# Altium PCB PCB1.PcbDoc (continued)
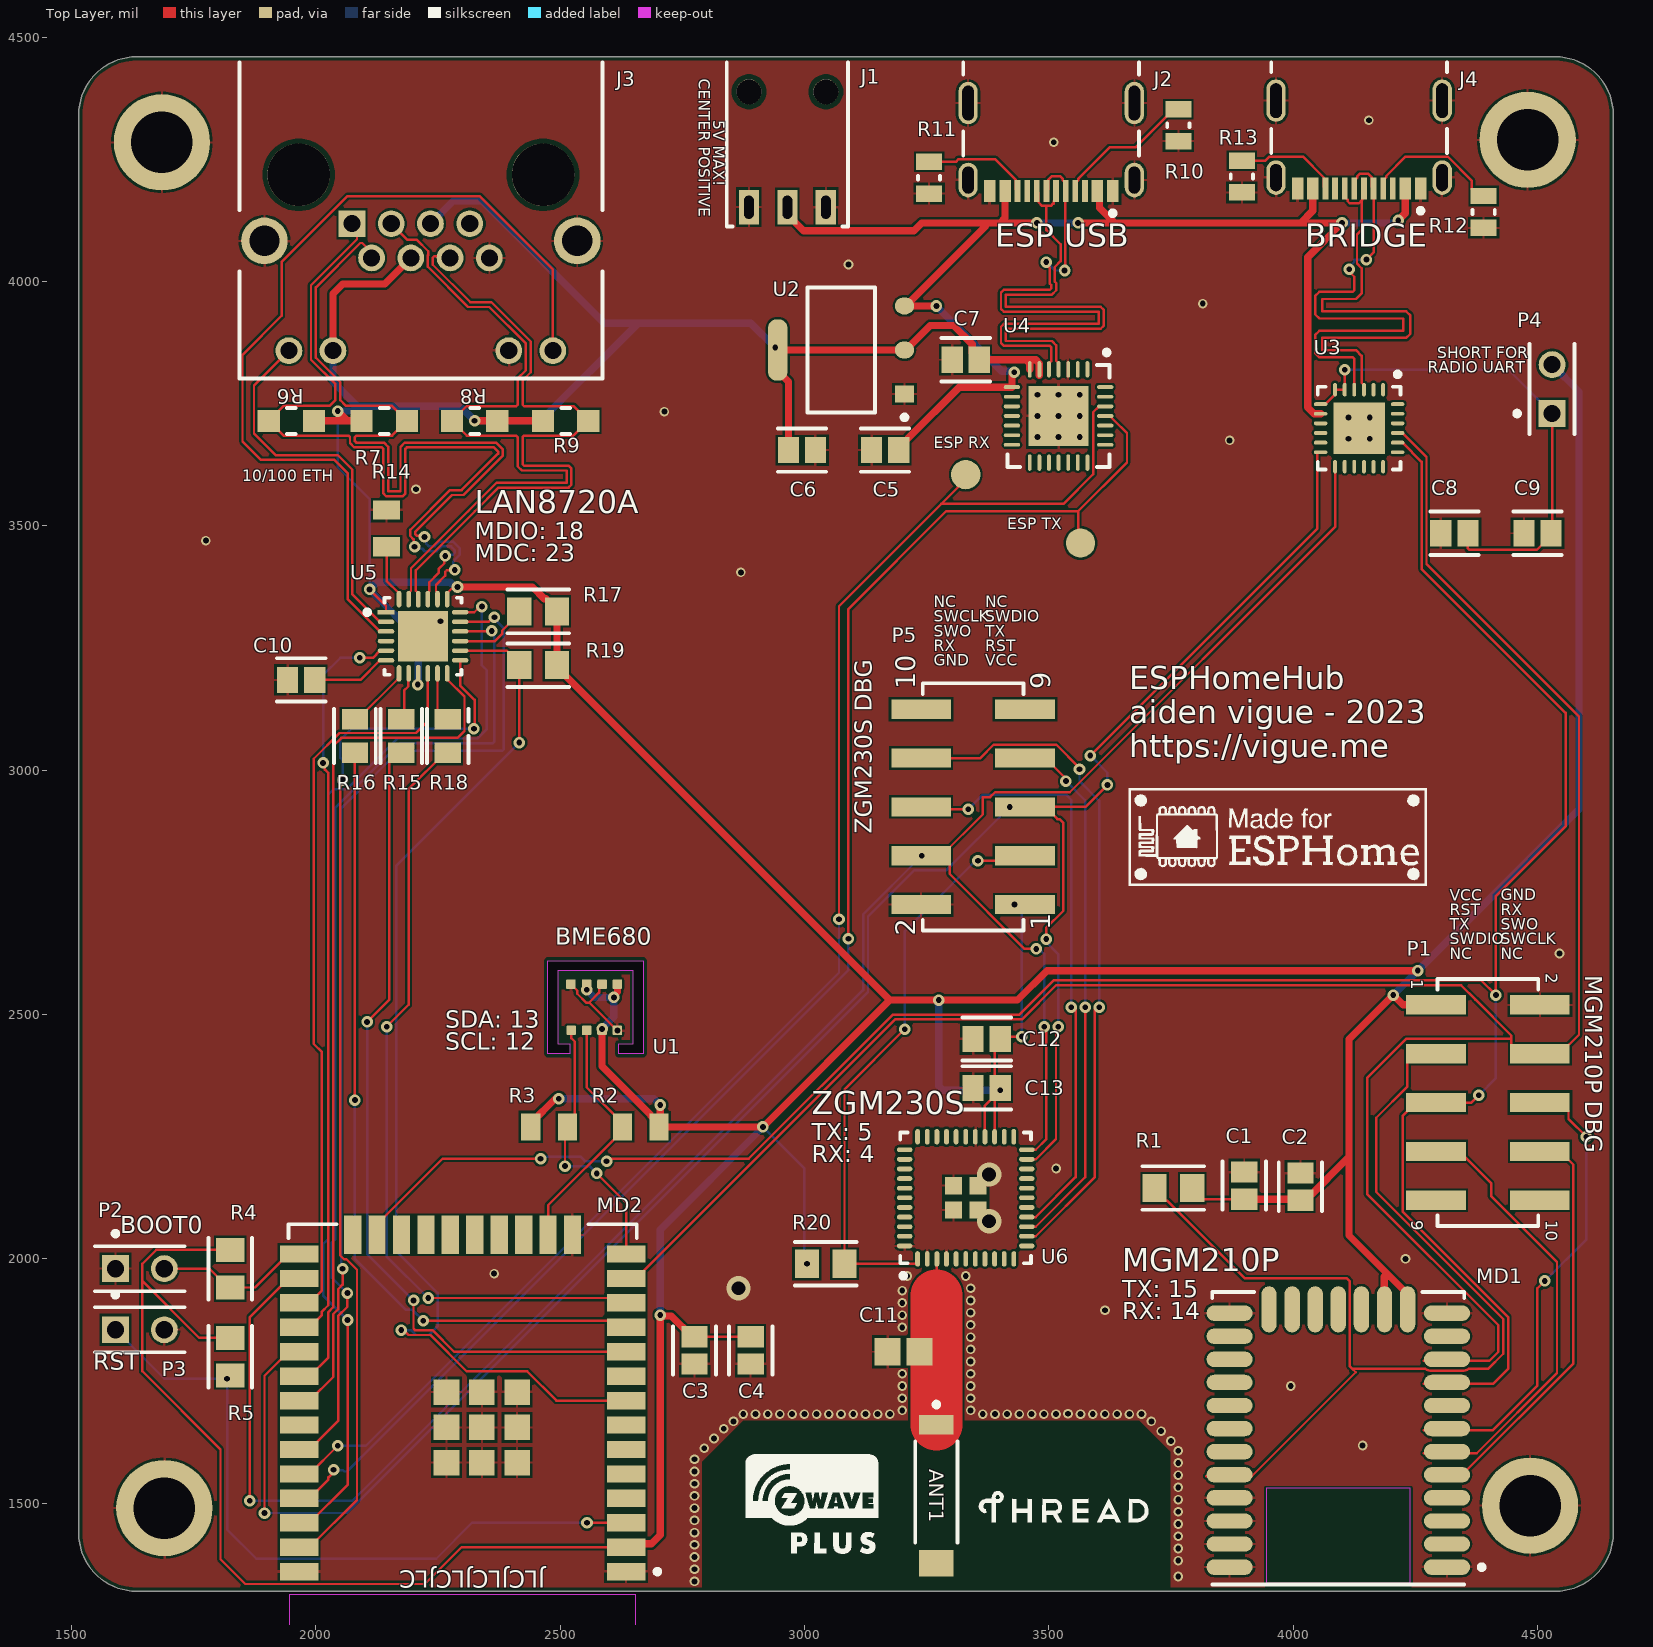
[diagram p0: Top Layer view]
## Part data
ANT1: library part CMP-56579-000002-1, "RF ANT CHIP SOLDER SMD", Max Frequency=928MHz, Contact Plating=Tin, Impedance=50R, Mount="Surface Mount", Number of Pins=2, RoHS Compliant=No
C1 C2 C3 C4 C5 C6 C7 C8 C9 C10 C12 C13: library part CMP-2000-05016-2, "General Purpose Ceramic Capacitor, 0805, 100nF, 10%, X7R, 0.15, 50V", Capacitance=100nF, Case Code (Imperial)=0805, Case Code (Metric)=2012, Dielectric=X7R, Dielectric Material=Ceramic, Insulation Resistance=100GR, Max Operating Temperature=125°C, Min Operating Temperature=-55°C, Package Quantity=4000, Tolerance=10%, Voltage=50V, Case/Package=0805, Depth=1.25mm, Dissipation Factor=2.5%, Height=0.5mm, Lead Free="Lead Free", Length=2mm, Mount="Surface Mount", Number of Pins=2, Packaging="Cut Tape", Radiation Hardening=No, REACH SVHC="No SVHC", RoHS Compliant=Yes, Series="MLCC X7R", Termination=Standard, Thickness=0.037inch, Voltage Rating=50V, Voltage Rating (DC)=50V, Weight=0.001411oz, Width=1.2mm
C11: library part CMP-1036-00283-2, Manufacturer="AVX Interconnect / Elco", Part Number=08055A2R2CAT2A
J1: library part CMP-1502-00184-1, "DC Power Jack Connector Low Profile WR-DC, Male, Right Angled, THT, 2 A, 20 V", Manufacturer="Wurth Elektronik", Operating Temperature=-40to85degC, Rated Current=2A, Working Voltage=20V, Datasheet URL=http://katalog.we-online.de/em/datasheet/6941xx304002.pdf, Gender=Male, Manufacturer URL=http://www.we-online.de, Mounting Technology=THT, Opening Diameter=3.8mm, Orientation=RightAngled, Package Reference=694102304002, Packaging=Tray, Part Number=694102304002, Plug Inner Diameter=1.05mm, Plug Outer Diameter=3.5mm, Publisher=WurthElektronik
J2 J4: library part CMP-04767-000028-1, "CONN RCP USB2.0 TYP C 24P SMD RA"
J3: library part CMP-2000-05541-2, "CONN MOD JACK 8P8C R/A SHIELDED", Color=Yellow, Current Rating=1.5A, Flammability Rating="UL94 V-0", Housing Color=Black, Max Operating Temperature=85°C, Max Voltage Rating (AC)=150V, Min Operating Temperature=-40°C, Package Quantity=63, Approvals=UL, Connector Type=Jack, Contact Material=Bronze, Contact Plating=Gold, Depth=15.75mm, Direction=Up, Element Configuration=Single, Gender=Female, Housing Material=Thermoplastic, Keyed=No, Length=17.86mm, Mount=Panel, Number of Contacts=8, Number of Ports=1, Number of Positions=8, Number of Positions Loaded=8, Number of Rows=1, Orientation="Right Angle", Packaging=Tray, PCB Mounting Orientation="Right Angle", PCB Thickness=1.57mm, Pitch=2.03mm, Radiation Hardening=No, RoHS Compliant=Yes, Series=-, Shielding=Shielded, Tail Length=2.54mm, Termination=Solder, Voltage Rating=150V, Weight=0.144729oz, Width=17.27mm
MD1: library part CMP-08140-000019-1, "RX TXRX MOD BLUETOOTH CHIP SMD"
MD2: library part CMP-194065-000008-1, "RX TXRX MOD WIFI SURFACE MOUNT", Case/Package=SMD/SMT, Frequency=2.5GHz, Max Operating Temperature=85°C, Min Operating Temperature=-40°C, Operating Supply Voltage=3.6V, Package Quantity=550, Data Rate=150Mbps, Mount="Surface Mount", Packaging="Cut Tape", Sensitivity=-98dBm, Weight=0.088185oz
P1 P5: library part CMP-1502-01053-1, "SMT Vertical Pin Header WR-PHD, Pitch 2.54 mm, Dual Row, 10 pins", Contact Resistance=20mOhm, Manufacturer="Wurth Elektronik", Operating Temperature=-40to125degC, Rated Current=3A, Withstanding Voltage=500VAC, Working Voltage=250VAC, Datasheet URL=https://katalog.we-online.de/em/datasheet/6103xx21121.pdf, Gender=Male, Manufacturer URL=http://www.we-online.de, Mounting Technology=SMT, Orientation=Vertical, Package Reference=61031021121, Packaging=TapeandReel, Part Number=61031021121, Pin Number=10, Pitch=2.54mm, Publisher=WurthElektronik, Row Number=Dual
P2 P3 P4: library part CMP-2000-07492-1, "Male Header, Pitch 2.54 mm, 1 x 2 Position, Height 8.21 mm, Tail Length 3.05 mm, -65 to 105 degC, RoHS, Bulk", Case\/Package=100, Colour=Black, Current Rating=3A, Flammability Rating=UL94V-0, High Temperature Housing=Yes, Manufacturer="TE Connectivity", Max Current Rating=5A, Max Operating Temperature=105degC, Min Operating Temperature=-65degC, Package Description="Male Header, Pitch 2.54 mm, 1 x 2 Position, Height 8.21 mm, Tail Length 3.05 mm", Package Quantity=500, Approvals=CSA, Board Standoff=No(Without), Connector Type=Header, Contact Gender=Male, Contact Material=CopperAlloy, Contact Mating Length=0.23inch, Contact Plating=Matte, Contact Protection=No(Without), Contact Shape=Square, Datasheet URL=http://www.te.com/commerce/DocumentDelivery/DDEController?Action=showdoc&DocId=Customer+Drawing%7F146280%7FH1%7Fpdf%7FEnglish%7FENG_CD_146280_H1.pdf%7F5-146280-2, Datasheet Version="Rev. H1, 08/2016", Depth=2.34mm, Gasket=No(Without), High Speed Serial Data Connector=No, Housing Colour=Black, Housing Material=Polymer, Keyed=No, Length=4.67mm, Manufacturer URL=http://www.te.com/, Mating Alignment=No(Without), Mating Connector Lock=No(Without), Mating Post Length=0.23inch, Mount=ThroughHole, Mounting Technology=ThroughHole, Number of Contacts=2, Number of Positions=2, Number of Rows=1, Orientation=Straight, Package Reference=5-146280-2, Packaging=Carton, Panel Mount Retention=No(Without), PCB Mount Retention=Without, PCB Mounting Orientation=Vertical, PCB Thickness=0.063inch, Pitch=2.54mm, Radiation Hardening=No, RoHSCompliant=true, Row Spacing=2.54mm, Selectively Loaded=No(Without), Stabilizers=No(Without), Termination=ThroughHole, Termination Post Length=0.12inch
R1 R4 R5 R17 R19 R20: library part CMP-07231-003204-1, "Thick Film Chip Resistors 0805 10kΩ 0.125W 1% 100ppm/°C", Case Code (Imperial)=0805, Case Code (Metric)=2012, Max Operating Temperature=155°C, Max Power Dissipation=125mW, Min Operating Temperature=-55°C, Package Quantity=1, Resistance=10kR, Temperature Coefficient=100ppm/°C, Tolerance=1%, Voltage Rating=150V, Voltage Rating (DC)=100V, Case/Package=0805, Composition="Thick Film", Contact Plating=Tin, Depth=1.25mm, Features="Moisture Resistant", Height=0.5mm, Length=2mm, Mount="Surface Mount", Number of Terminations=2, Packaging="Tape and Reel", Power Rating=125mW, Radiation Hardening=No, REACH SVHC="No SVHC", Termination=SMD/SMT, Thickness=508um, Width=1.25mm
R2 R3: library part CMP-2100-03615-2, "RES Thick Film, 4.7kΩ, 1%, 0.125W, 100ppm/°C, 0805", Case Code (Imperial)=0805, Case Code (Metric)=2012, Max Operating Temperature=155°C, Max Power Dissipation=125mW, Min Operating Temperature=-55°C, Package Quantity=10, Resistance=4.7kR, Temperature Coefficient=100ppm/°C, Tolerance=1%, Voltage Rating=150V, Case/Package=0805, Composition="Thick Film", Contact Plating=Tin, Depth=1.25mm, Features="Automotive AEC-Q200", Height=0.45mm, Lead Free="Lead Free", Length=2mm, Military Standard=Not, Number of Terminations=2, Packaging="Tape and Reel", Power Rating=125mW, Radiation Hardening=No, Termination=SMD/SMT, Voltage Rating (DC)=150V, Weight=0.000194oz, Width=1.25mm
R6 R7 R8 R9: library part CMP-07231-001472-1, "Thick Film Chip Resistors 0805 49.9Ω 0.125W 1% 100ppm/°C", Case Code (Imperial)=0805, Case Code (Metric)=2012, Max Operating Temperature=155°C, Min Operating Temperature=-55°C, Package Quantity=5000, Power Rating=125mW, Resistance=49.9R, Temperature Coefficient=100ppm/°C, Tolerance=1%, Voltage Rating=150V, Case/Package=0805, Composition="Thick Film", Contact Plating=Tin, Depth=1.25mm, Height=0.5mm, Length=2mm, Military Standard=Not, Mount="Surface Mount", Number of Pins=2, Packaging="Tape and Reel", Radiation Hardening=No, REACH SVHC="No SVHC", Termination=SMD/SMT, Thickness=508um, Voltage Rating (DC)=150V, Width=1.25mm
R10 R11 R12 R13: library part CMP-2001-04025-1, Manufacturer="Vishay Dale", Part Number=CRCW08055K10JNEA
R14: library part CMP-2001-04935-2, "RES Thick Film, 12.1kΩ, 1%, 0.125W, 100ppm/°C, 0805", Case Code (Imperial)=0805, Case Code (Metric)=2012, Max Operating Temperature=155°C, Max Power Dissipation=125mW, Min Operating Temperature=-55°C, Package Quantity=10, Resistance=12.1kR, Temperature Coefficient=100ppm/°C, Tolerance=1%, Voltage Rating=150V, Case/Package=0805, Composition="Thick Film", Contact Plating=Tin, Depth=1.25mm, Features="Automotive AEC-Q200", Height=0.45mm, Lead Free="Lead Free", Length=2mm, Military Standard=Not, Number of Terminations=2, Packaging="Tape and Reel", Power Rating=125mW, Radiation Hardening=No, Termination=SMD/SMT, Voltage Rating (DC)=150V, Weight=0.000194oz, Width=0.049inch
R15 R16 R18: library part CMP-07231-004657-1, "Thick Film Chip Resistors 0805 10Ω 0.125W 1% 100ppm/°C", Case Code (Imperial)=0805, Case Code (Metric)=2012, Max Operating Temperature=155°C, Min Operating Temperature=-55°C, Package Quantity=5000, Power Rating=125mW, Resistance=10R, Temperature Coefficient=100ppm/°C, Tolerance=1%, Voltage Rating=150V, Case/Package=0805, Composition="Thick Film", Contact Plating=Tin, Depth=1.25mm, Height=0.5mm, Length=2mm, Military Standard=Not, Mount="Surface Mount", Number of Pins=2, Packaging="Tape and Reel", Radiation Hardening=No, REACH SVHC="No SVHC", Termination=SMD/SMT, Thickness=508um, Voltage Rating (DC)=150V, Width=1.25mm
U1: "Integrated Environmental Unit", Package=None, Availability=Unavailable, MF="{'manufacturer': u'Bosch Sensortec'}", MP=BME680, Price=None
U2: library part CMP-209535-000001-1, "LDO Voltage Regulators 1A, 3.3V", Dropout Voltage=1.1V, Manufacturer="Advanced Monolithic Systems", Max Junction Temp=+125°C, Max Power Dissipation=1.2W, Max Supply Voltage=15V, Nominal Supply Current=5mA, Output Current=1A, Output Voltage=3.3V, Package=AMS1117, Temperature="-40°C to +125°C", Temperature Range Low=-40°C, Automotive=No, Category=IC, ComponentLink2Description=Datasheet, ComponentLink2URL=http://www.advanced-monolithic.com/pdf/ds1117.pdf, Device Class L1="Integrated Circuits (ICs)", Device Class L2="Power Management ICs", Device Class L3="Voltage Regulators - Linear", Height=1.8mm, Ipc Land Pattern Name=SOT229P700X180-4, Lead Free=Yes, Manufacturer Part Number=AMS1117-3.3, Number Of Outputs=1, Octopart=https://octopart.com/ams1117-3.3-advanced+monolithic+systems-25899300, Output Type=Fixed, RoHS=TRUE, Standoff Height=0.64mm, Temperature Range High=+125°C
U3: library part CMP-0511-00003-1, "Single-Chip USB to Dual UART Bridge, 5 Dig I/O Pins, Internal Oscillator, 296 Bytes EEPROM, -40 to 85 degC, 24-pin QFN", Manufacturer="Silicon Labs", Code_IPC=J-STD-020, Code_JEDEC=MO-220, ComponentLink1Description="Manufacturer URL", ComponentLink1URL=http://www.silabs.com/, ComponentLink2Description=Datasheet, ComponentLink2URL=http://www.silabs.com/Support%20Documents/TechnicalDocs/CP2105.pdf, ComponentLink3Description="Package Specification", ComponentLink3URL=http://www.silabs.com/Support%20Documents/TechnicalDocs/C8051F93x-92x.pdf, DatasheetVersion="Rev. 1.0", EEPROM="296 Bytes", Internal Oscillator=TRUE, Mounting Technology="Surface Mount", PackageDescription="24-Pin Quad-Flat No-Leads Package, Body 4 x 4 mm, Pitch 0.5 mm", PackageReference=QFN-24, PartNumber=CP2105-F01-GM, Sub-Family="USB Bridges"
U4: library part CMP-0511-00012-1, "Single-Chip USB to UART Bridge, 1024 Bytes EEPROM, -40 to 85 degC, 28-pin QFN, Tube", Manufacturer="Silicon Labs", Code_IPC=J-STD-020C, Code_JEDEC=MO-220, ComponentLink1Description="Manufacturer URL", ComponentLink1URL=http://www.silabs.com/, ComponentLink2Description=Datasheet, ComponentLink2URL=http://www.silabs.com/Support%20Documents/TechnicalDocs/CP2102-9.pdf, ComponentLink3Description="Package Specification", ComponentLink3URL=http://www.silabs.com/Support%20Documents/TechnicalDocs/C8051T61x.pdf, DatasheetVersion="Rev. 1.5", EEPROM="1024 Bytes", Internal Oscillator=TRUE, Mounting Technology="Surface Mount", PackageDescription="28-Pin Quad-Flat No-Leads Package, Body 5 x 5 mm, Pitch 0.5 mm", PackageReference=QFN-28, PartNumber=CP2102-GM, Sub-Family="USB Bridges"
U5: library part CMP-06281-000057-1, "IC TRANSCEIVER FULL 2/2 24SQFN"
U6: library part CMP-021-00007-1, "ZGM230S Z-wave Sip, Secure Vault", Case/Package=QFN-44, Power=3.3W, Pins=48

## Free pads (board coordinates)
  round 196.85 hole 125.98: 1(1685,4285) 1(1690,1490) 1(4480,4290) 1(4485,1495)
  round 60 smd: 2(3565,3465) 3(3330,3605)

## Via types
v1: diameter 19.68, hole 12, Top Layer to Bottom Layer, 108 vias
v2: diameter 23.62, hole 11.81, Top Layer to Bottom Layer, 85 vias
v3: diameter 50, hole 28, Top Layer to Bottom Layer, 3 vias

## Nets (pads, with @x,y where several pads share a name; then routed paths per layer and width w, separated by ;. In a path a pad name is that pad's centre, name@x,y a point inside that pad or via, vN(x,y) a via of type N, cw(c..) or ccw(c..) an arc to the next point about the centre after c; other vN are vias at no path point)
BOOT0: MD2.25 P2.2 R4.1 | length 320
  Top Layer w5: P2.2 1782.52,1980 1820.98,1941.54 R4.1 1875.59,1941.54 1944.05,2010 MD2.25
ERX_N: J3.6 R9.1 U5.22 | length 1395.3
  Top Layer w5: U5.22 2209.68,3362.54 2204.84,3367.38 2204.84,3409.15 2325.7,3530 2374.05,3578.36 2517.27,3578.36 2523.13,3584.22 2523.13,3617.5 2517.27,3623.36 2426.06,3623.36 2423.13,3626.29 2423.13,3640 2423.13,3681.93 2426.06,3684.86 2527.38,3684.86 R9.1 2527.38,3745.14 2426.06,3745.14 2423.13,3748.07 2423.13,3797.84 2439.78,3814.5 2439.78,3877.2 2359.05,3957.94 2315.98,3957.94 2239.39,4034.54 2239.39,4049.31 2242.32,4052.24 2270.99,4052.24 J3.6
ERX_P: J3.3 R8.1 U5.23 | length 1469.4
  Top Layer w5: J3.3 2187.38,4085.46 2206.76,4085.46 2230.25,4061.97 2230.25,4054.31 2229.39,4053.45 2229.39,4030.39 2311.84,3947.94 2354.91,3947.94 2429.78,3873.06 2429.78,3818.64 2413.13,3801.99 2413.13,3748.07 2410.2,3745.14 2308.88,3745.14 R8.1 2308.88,3684.86 2410.2,3684.86 2413.13,3681.93 2413.13,3640 2413.13,3622.14 2421.92,3613.36 2513.13,3613.36 2513.13,3588.36 2369.91,3588.36 2311.56,3530 2194.84,3413.29 2194.84,3367.38 2190,3362.54 U5.23
ESP_EN: MD2.3 P3.1 R5.1 | length 1459.4
  Top Layer w5: v2(1818.46,1755) R5.1 ; v2(2555,1460) MD2.3
  Bottom Layer w5: P3.1 1690,1755 v2(1818.46,1755) 1818.46,1446.54 1878.46,1386.54 2246.54,1386.54 2320,1460 v2(2555,1460)
ESP_RX: MD2.34 pad.3 U4.26 | length 3149.1
  Top Layer w5: MD2.34 1987.36,1560 v2(2045,1617.64) ; v2(3070.69,2695) 3070.69,3335.69 3280,3545 ; pad.3 3330,3595 3280,3545 ; U4.26 3602.68,3744.68 3591.06,3733.07 3591.06,3606.06 3530,3545 3280,3545
  Bottom Layer w5: v2(2045,1617.64) 2102.64,1617.64 3070.69,2585.69 v2(3070.69,2695)
ESP_TX: MD2.35 pad.2 U4.25 | length 3201.7
  Top Layer w5: MD2.35 1987.36,1510 2025.76,1548.4 2025.76,1553.03 2036.35,1563.62 v2(2036.35,1568.65) ; v2(3090,2655) 3090,3330 3290,3530 3560,3530 ; pad.2 3560,3470 3560,3530 ; U4.25 3627.49,3725 3628.82,3723.67 3628.82,3720.94 3633,3716.75 3660,3689.76 3660,3630 3560,3530
  Bottom Layer w5: v2(2036.35,1568.65) 2037.5,1567.5 2055.66,1567.5 2058.16,1565 2064.14,1565 3090,2590.86 v2(3090,2655)
ETH_CLK: MD2.28 U5.5 | length 1526.1
  Top Layer w5: MD2.28 1987.36,1860 2012.58,1885.22 2012.58,1892.31 2025.51,1905.24 2025.51,2994.49 2018.56,3001.44 2018.56,3011.44 v2(2015,3015) ; v2(2090,3230) 2116.82,3230 2131.48,3244.66 U5.5
  Bottom Layer w5: v2(2015,3015) 2015,3195 2050,3230 v2(2090,3230)
ETH_CRS_DV: MD2.12 R18.1 | length 1615.1
  Top Layer w5: v2(2145,2475) 2190,2520 2190,2961.46 2264.02,3035.47 R18.1 ; v2(2230,1920) 2625,1920 MD2.12
  Bottom Layer w5: v2(2145,2475) 2145,2005 v2(2230,1920)
ETH_MDC: MD2.37 U5.13 | length 2171
  Top Layer w5: MD2.37 1987.36,1410 2084.31,1506.95 2084.31,1977.82 2062.82,1999.31 2057.72,1999.31 2050,2007.03 2050,2967.76 2051.26,2969.01 2051.26,2976.44 v2(2054.82,2980) ; U5.13 2295.34,3173.69 2325,3144.03 2325,3090 2323.62,3088.62 v2(2323.62,3085)
  Bottom Layer w5: v2(2054.82,2980) 2054.82,3021.15 2050,3025.96 2050,3062.07 2072.93,3085 v2(2323.62,3085)
ETH_MDIO: MD2.30 U5.12 | length 1745.1
  Top Layer w5: MD2.30 1987.36,1760 2025.69,1798.33 2025.69,1891.28 2035.51,1901.1 2035.51,3049.23 2052.48,3066.2 2289.92,3066.2 2304.31,3080.59 2304.31,3150.57 2268.74,3186.14 U5.12
ETH_RXD0: MD2.10 R15.1 | length 1704.7
  Top Layer w5: v2(2105,2485) 2150.69,2530.69 2150.69,3017.14 2169.02,3035.47 R15.1 ; v2(2200,1915) 2200,1857.24 2202.93,1854.31 2238.59,1854.31 2282.9,1810 MD2.10
  Bottom Layer w5: v2(2105,2485) 2105,2010 v2(2200,1915)
ETH_RXD1: MD2.11 R16.1 | length 1648.5
  Top Layer w5: v2(2080,2325) R16.1 ; v2(2220,1873.62) 2621.38,1873.62 MD2.11
  Bottom Layer w5: v2(2080,2325) 2080,2000 2184.31,1895.69 2197.93,1895.69 v2(2220,1873.62)
ETH_TXD0: MD2.31 U5.17 | length 1998
  Top Layer w5: MD2.31 1987.36,1710 2035.69,1758.33 2035.69,1887.14 2045.51,1896.96 2045.51,1938 2054.82,1947.31 v2(2054.82,1980) ; U5.17 2353.68,3303.72 2363.03,3313.07 v2(2365.61,3313.07)
  Bottom Layer w5: v2(2054.82,1980) 2051.89,1982.93 2051.89,2921.48 2170.41,3040 2382.07,3040 2385,3042.93 2385,3290 2365.61,3309.39 v2(2365.61,3313.07)
ETH_TXD1: MD2.36 U5.18 | length 2253.7
  Top Layer w5: MD2.36 1987.36,1460 2065,1537.64 v2(2065,1875) ; U5.18 2324.29,3323.4 2335.88,3335 v2(2340,3335)
  Bottom Layer w5: v2(2065,1875) 2015,1925 2015,2030 2025,2040 2025,2950 2035.69,2960.69 2062.82,2960.69 2167.13,3065 2330.93,3065 2350,3084.07 2350,3204.53 2340,3214.53 v2(2340,3335)
ETH_TXEN: MD2.33 U5.16 | length 2060.2
  Top Layer w5: MD2.33 1987.36,1610 2045.69,1668.33 2045.69,1883 2064.31,1901.62 2064.31,1929.49 v2(2064.82,1930) ; U5.16 2295.82,3284.52 2359.52,3284.52 v2(2360,3285)
  Bottom Layer w5: v2(2064.82,1930) 2064.31,1930 2032.58,1961.73 2032.58,2033.44 2040,2040.86 2040,2923.73 2171.27,3055 2362.07,3055 2365,3057.93 2365,3282.07 2362.07,3285 v2(2360,3285)
ETX_N: J3.2 R7.1 U5.20 | length 1720.3
  Top Layer w5: J3.2 2114.21,4059.77 2095.05,4078.94 2090.9,4078.94 2000.22,3988.25 2000.22,3844.18 2050,3794.4 2050,3757.31 2061.09,3746.22 2155.04,3746.22 R7.1 2156.12,3684.86 2082.93,3684.86 2080,3681.93 2080,3673.47 2082.93,3670.54 2095,3670.54 2139.57,3670.54 2148.36,3661.75 2148.36,3570.54 2173.36,3570.54 2173.36,3661.75 2182.15,3670.54 2225.77,3670.54 2368.6,3670.54 2382.93,3656.21 2382.93,3643.79 2302.42,3563.28 2278.68,3563.28 2203.18,3487.78 2203.18,3483.63 2207.25,3479.56 2220.42,3479.56 v2(2222.49,3477.49) ; U5.20 2249.06,3363.44 2245.97,3366.52 2245.97,3379.21 2265,3398.24 2265,3406.35 2267.93,3409.28 2283.59,3409.28 v2(2284.31,3410)
  Bottom Layer w5: v2(2222.49,3477.49) 2226.05,3473.93 2226.05,3463.43 2229.76,3459.72 2231.2,3458.28 2243.2,3458.28 2252.86,3467.93 2281.1,3467.93 2294.31,3454.72 2294.31,3440.62 2282.87,3429.19 2282.87,3427.87 2281.38,3426.38 2281.38,3412.93 v2(2284.31,3410)
ETX_P: J3.1 R6.1 U5.21 | length 1785.9
  Top Layer w5: J3.1 2084.35,4108.17 2084.35,4086.53 1990.22,3992.39 1990.22,3840.04 2040,3790.26 2040,3757.31 2028.91,3746.22 1934.96,3746.22 R6.1 1933.88,3684.86 2067.07,3684.86 2070,3681.93 2070,3669.32 2078.79,3660.54 2095,3660.54 2135.43,3660.54 2138.36,3657.61 2138.36,3566.4 2144.22,3560.54 2177.5,3560.54 2183.36,3566.4 2183.36,3657.61 2186.29,3660.54 2225.77,3660.54 2364.46,3660.54 2372.93,3652.07 2372.93,3647.93 2298.28,3573.28 2274.54,3573.28 2193.18,3491.92 2193.18,3479.49 2200.18,3472.49 2200.18,3459.32 v2(2202.25,3457.25) ; U5.21 2229.37,3363.44 2232.45,3366.52 2232.45,3384.81 2251.48,3403.84 2251.48,3411.95 2262.93,3423.39 2262.93,3436.55 v2(2265,3438.62)
  Bottom Layer w5: v2(2202.25,3457.25) 2205.81,3453.69 2218.98,3453.69 2221.35,3451.32 2220.02,3449.98 2221.72,3448.28 2247.34,3448.28 2257,3457.93 2276.96,3457.93 2284.31,3450.58 2284.31,3444.77 2280.24,3440.69 2270.06,3440.69 2268.56,3442.19 v2(2265,3438.62)
GND: C1.1 C2.1 C3.1 C4.1 C5.1 C6.2 C7.1 C8.1 C9.1 C10.1 C11.1 C12.1 C13.1 J1.2 J1.3 J2.1 J2.2 J2.3 J2.4 J2.A1-B12 J2.B1-A12 J3.8 J3.10 J3.13 J3.14 J4.1 J4.2 J4.3 J4.4 J4.A1-B12 J4.B1-A12 MD1.1 MD1.12 MD1.20 MD1.28 MD1.29 MD1.30 MD1.31 MD2.1 MD2.15 MD2.38 MD2.39 P1.2 P2.1 P3.2 P5.2 pad.1 R10.2 R11.2 R12.2 R13.2 R14.2 U1.1 U1.5 U1.7 U2.1 U3.25 U4.3 U4.29 U5.25 U6.2 U6.4 U6.27 U6.44 U6.45 U6.46 U6.47 U6.48 | length 280.7
  Top Layer w5: U1.5 2534.94,2549.27 2534.94,2542.75 2553.08,2524.61 2559.61,2524.61 ; U1.7 2579.9,2556.4 2579.9,2544.9 2559.61,2524.61 ; U1.1@2615.74,2466.25 v1(2617.24,2467.76) 2609.9,2475.1 2609.11,2475.1 2559.61,2524.61 ; v1(4113.35,3678.35) U3.25 ; v1(4156.65,3678.35) U3.25 ; v1(4156.65,3721.65) U3.25
  other v1: 2775,1340 3765,1350 2775,1365 3764.82,1382.51 2775,1390 3764.82,1407.51 2775,1415 3764.82,1432.51 2775,1440 3764.82,1457.51 2775,1465 3764.82,1482.51 2775,1490 3764.82,1507.51 2775,1515 3764.82,1532.51 2775,1540 3764.82,1557.51 2775,1565 3764.82,1582.51 2775,1590 3764.82,1607.51 2794.82,1612.51 4142.17,1618.23 3749.82,1627.51 2814.82,1632.51 3729.82,1647.51 2834.82,1652.51 2854.82,1667.51 3709.82,1667.51 2874.82,1682.51 2899.82,1682.51 2924.82,1682.51 2949.82,1682.51 2974.82,1682.51 2999.82,1682.51 3024.82,1682.51 3049.82,1682.51 3074.82,1682.51 3099.82,1682.51 3124.82,1682.51 3149.82,1682.51 3174.82,1682.51 3364.82,1682.51 3389.82,1682.51 3414.82,1682.51 3439.82,1682.51 3464.82,1682.51 3489.82,1682.51 3514.82,1682.51 3539.18,1683.12 3564.82,1682.51 3589.82,1682.51 3614.82,1682.51 3639.82,1682.51 3664.82,1682.51 3689.82,1682.51 3200,1690 3340,1690 3200,1715 3340,1715 3200,1740 3340,1740 3995,1740 3200,1765 3340,1765 3340,1790 3340,1815 3340,1840 3200,1860 3340,1865 3200,1885 3340,1890 3615,1895 3200,1910 3340,1915 3200,1935 3340,1940 3210,1965 3330,1965 2365,1970 4230,2000 3515,2185 4545,2625 2255,3305 2870,3405 1775,3470 2205,3575 3870,3675 3476.69,3681.69 3520,3681.69 3563.31,3681.69 4113.35,3721.65 3476.69,3725 3520,3725 3563.31,3725 2713.42,3734 3476.69,3768.31 3520,3768.31 3563.31,3768.31 3815,3955 3090,4035 3510,4285 4155,4330
  other v3: 2865,1940 3377.72,2077.28 3377.72,2172.72
NetANT1_1: ANT1.1 C11.2 U6.3 | length 350.7
  Top Layer w5: ANT1.1 ANT1.1@3277.76,1668.43 ; 3270,1925 3270.94,1925.94 U6.3
  Top Layer w106.3: ANT1.1 3270,1820 3270,1925
NetC8_2: C8.2 C9.2 P4.1 U3.5 U3.6 U3.7 | length 1035.1
  Top Layer w5: U3.7 4066.1,3749.21 4085.79,3768.9 U3.6 U3.5 v2(4105.47,3819.53) ; C8.2 4357.79,3453.73 4360.72,3450.8 4498.54,3450.8 4527.79,3480.05 C9.2 4530,3487.21 P4.1
  Bottom Layer w5: v2(4105.47,3819.53) 4440.47,3819.53 P4.1
NetC10_2: C10.2 U5.6 | length 162.5
  Top Layer w5: C10.2 2091.5,3185 2131.48,3224.98 U5.6
NetJ2_A5: J2.A5 R10.1 | length 291.5
  Top Layer w5: J2.A5 3554.21,4201.89 3560.49,4208.17 3560.49,4210.9 3624.17,4274.58 3677.25,4274.58 3755.16,4352.48 R10.1
NetJ2_B5: J2.B5 R11.1 | length 222.1
  Top Layer w5: R11.1 R11.1 3309.76,4245 3315.49,4250.73 3390,4250.73 3432.7,4208.03 3432.7,4188.56 J2.B5
NetJ4_A5: J4.A5 R12.1 | length 287.7
  Top Layer w5: J4.A5 4184.21,4206.89 4190.49,4213.17 4190.49,4215.9 4230.32,4255.73 4316.34,4255.73 4365.93,4206.14 4365.93,4189.23 4380.16,4175 R12.1
NetJ4_B5: J4.B5 R13.1 | length 213.1
  Top Layer w5: R13.1 3943.5,4247.48 3951.75,4255.73 4020,4255.73 4062.7,4213.03 4062.7,4193.56 J4.B5
NetR14_1: R14.1 U5.24 | length 118.1
  Top Layer w5: R14.1 2145,3387.55 2170.31,3362.24 U5.24
NetR15_2: R15.2 U5.8 | length 100.1
  Top Layer w5: R15.2 2180.69,3110.22 2180.69,3163 2189.24,3171.55 2189.24,3197.63 U5.8
NetR16_2: R16.2 U5.7 | length 135.7
  Top Layer w5: R16.2 2085.98,3104.53 2166.75,3185.3 2168.27,3185.3 2170.31,3187.34 U5.7
NetR17_1: R17.1 U5.15 | length 152.6
  Top Layer w5: U5.15 2366.66,3264.35 2381.13,3278.82 2381.13,3285.58 2416.54,3320.98 R17.1
NetR18_2: R18.2 U5.11 | length 104.1
  Top Layer w5: U5.11 2249.06,3122.86 2267.38,3104.53 R18.2
PHY_INT: MD2.8 R19.2 U5.14 | length 2233.5
  Top Layer w5: v2(2175,1854.31) 2180.04,1854.31 2190.04,1844.31 2234.45,1844.31 2308.76,1770 2432.46,1770 2492.46,1710 MD2.8 ; U5.14 2390.89,3244.66 2416.54,3219.02 R19.2 v2(2416.54,3056.54)
  Bottom Layer w5: v2(2175,1854.31) 2195.05,1854.31 2205.05,1844.31 2231.62,1844.31 2249.31,1862 2249.31,1930.69 2165,2015 2165,2805 v2(2416.54,3056.54)
PHY_L1: J3.9 U5.3 | length 1845.1
  Top Layer w5: U5.3 2131.48,3284.03 2065,3350.51 2065,3607.93 2037.93,3635 1887.93,3635 1850,3672.93 1850,3850 1930,3930 1930,4039.74 2065.26,4175 2335,4175 2485.08,4024.92 J3.9
PHY_L2: J3.12 U5.2 | length 778.2
  Top Layer w5: J3.12 1873.6,3787.3 1873.6,3689.26 1917.86,3645 2045,3645 2075,3615 2075,3359.86 2131.14,3303.72 U5.2
PHY_RXER: MD2.27 U5.10 | length 1516
  Top Layer w5: MD2.27 1987.36,1910 2012.58,1935.22 2012.58,2423.28 1995.69,2440.17 1995.69,3023.55 2048.33,3076.2 2204.92,3076.2 2229.37,3100.65 U5.10
SCL: MD2.14 R3.1 U1.4 | length 550.4
  Top Layer w5: v2(2510,2190) 2510,2265 R3.1 2530.37,2285.37 2530.37,2444.3 2522.76,2451.92 U1.4 ; v2(2575,2175) 2635,2115 MD2.14
  Bottom Layer w5: v2(2510,2190) 2560,2190 v2(2575,2175)
SDA: MD2.16 R2.1 U1.3 | length 511.8
  Top Layer w5: MD2.16 2475.35,2109.88 2627.56,2262.09 R2.1 2627.56,2277.91 2554.25,2351.22 U1.3
USB_D_N: J2.A7 J2.B7 U4.5 | length 1109.6
  Top Layer w5: v2(3495,4040) 3495,4034.96 3502.16,4027.81 3502.16,4011.73 3502.16,3995.66 3505.16,3992.66 3505.16,3986.29 3502.23,3983.36 3408.01,3983.36 3402.16,3977.5 3402.16,3944.22 3408.01,3938.36 3602.16,3938.36 3602.16,3913.36 3408.01,3913.36 3402.16,3907.5 3402.16,3874.22 3408.01,3868.36 3502.23,3868.36 3505.16,3865.43 3505.16,3860 3505.16,3837.63 3500.31,3832.79 U4.5 ; J2.A7 3498.56,4188.56 3498.56,4208.03 3505.83,4215.3 3523.85,4215.3 3528.25,4210.9 3528.25,4208.17 3534.53,4201.89 J2.B7 3534.07,4184.7 3534.07,4100.34 3534.07,4024.46 v2(3532.31,4022.69)
  Bottom Layer w5: v2(3495,4040) 3512.31,4022.69 v2(3532.31,4022.69)
USB_D_P: J2.A6 J2.B6 U4.4 | length 1030.2
  Top Layer w5: J2.B6 3478.88,4181.75 3478.88,4162.29 3486.15,4155.02 3495,4155.02 ; 3508.56,4159.41 3504.17,4155.02 3495,4155.02 ; 3510,4159.41 3510,4163.58 3514.84,4168.43 J2.A6 ; U4.4 3520,3832.79 3515.16,3837.63 3515.16,3860 3515.16,3869.57 3506.37,3878.36 3412.16,3878.36 3412.16,3903.36 3606.3,3903.36 3612.16,3909.22 3612.16,3942.5 3606.3,3948.36 3412.16,3948.36 3412.16,3973.36 3506.37,3973.36 3515.16,3982.15 3515.16,3996.8 3512.16,3999.8 3512.16,4011.73 3512.16,4029.85 3524.07,4041.77 3524.07,4076.29 3495,4105.36 3495,4155.02
USB_VB: C5.2 J1.1 J2.A4-B9 J2.B4-A9 J4.A4-B9 J4.B4-A9 U2.3 U3.8 U4.8 | length 2836.5
  Top Layer w5: U2.3@3207.33,3950.16 U2.3@3207.4,3950.08 ; v2@3266.73,3950.08 3270,3953.35 v2(3270,3950)
  Top Layer w15: J1.1 2965,4137.44 2998.17,4104.27 3224.27,4104.27 3240,4120 3370,4120 ; U2.3@3207.33,3950.16 3370,4112.83 3370,4120 ; U2.3@3207.4,3950.08 v2@3266.73,3950.08 ; C5.2@3212.03,3679.2 3316.89,3784.05 U4.8 3424.53,3811.6 3427.46,3814.53 v2(3429.53,3814.53) ; J2.B4-A9 3410.51,4130.51 3400,4120 ; v2(3475.69,4120) 3400,4120 ; v2(3560,4120) 3635,4120 ; J2.A4-B9 3603.8,4180.85 3603.8,4151.2 3635,4120 ; 4029.98,3756.02 4029.98,3742.4 4042.86,3729.53 U3.8 ; 4030,3756.04 4030,4050 v2(4100,4120) 4015,4120 ; J4.B4-A9 4040.02,4189.67 4040.02,4145.02 4015,4120 ; v2(4215,4125) 4229.49,4139.49 J4.A4-B9 ; 3370,4120 3400,4120 ; 3635,4120 4015,4120
  Bottom Layer w15: v2(3270,3950) 3403.82,3816.18 3427.88,3816.18 v2(3429.53,3814.53) ; v2(3475.69,4120) v2(3560,4120) ; v2(4100,4120) 4210,4120 v2(4215,4125)
USBB_D_N: J4.A7 J4.B7 U3.4 | length 1051.5
  Top Layer w5: v2(4115,4025) 4115,4019.96 4125.16,4009.8 4125.16,4004.47 4125.16,3982.07 4122.23,3979.14 4053.69,3979.14 4045,3970.45 4045,3933.15 4053.69,3924.46 4225.16,3924.46 4225.16,3899.46 4053.69,3899.46 4045,3890.77 4045,3853.47 4053.69,3844.78 4122.23,3844.78 4125.16,3841.85 4125.16,3835 U3.4 ; J4.A7@4125.16,4173.43 J4.A7 4125.16,4206.89 4131.44,4213.17 4131.44,4215.9 4135.83,4220.3 4153.85,4220.3 4161.12,4213.03 4161.12,4193.56 J4.B7 4164.53,4059.53 v2(4150,4045)
  Bottom Layer w5: v2(4115,4025) 4115,4030.04 4125,4040.04 4125,4045 v2(4150,4045)
USBB_D_P: J4.A6 J4.B6 U3.3 | length 972.4
  Top Layer w5: J4.B6 4105.47,4173.43 4111.75,4167.15 4111.75,4164.41 4116.15,4160.02 4134.17,4160.02 4140,4165.85 ; U3.3 4144.84,3788.11 4140,3792.95 4140,3835 4140,3848 4128.38,3859.62 4059.84,3859.62 4059.84,3884.62 4231.31,3884.62 4240,3893.31 4240,3930.61 4231.31,3939.3 4059.84,3939.3 4059.84,3964.3 4128.38,3964.3 4140,3975.93 4140,4004.47 4140,4027.31 4130.69,4036.62 4130.69,4096.58 4140,4105.89 4140,4165.85 ; J4.A6@4144.84,4181.79 4141.44,4178.39 4141.44,4167.29 4140,4165.85
VCC: C1.2 C2.2 C3.2 C4.2 C6.1 C7.2 C12.2 C13.2 J3.4 J3.5 J3.11 MD1.13 MD1.14 MD2.2 P1.1 P4.2 P5.1 R1.1 R2.2 R3.2 R4.2 R5.2 R6.2 R7.2 R8.2 R9.2 R17.2 R19.1 R20.2 U1.2 U1.6 U1.8 U2.2 U2.4 U4.6 U4.7 U5.1 U5.9 U5.19 U6.25 U6.26 | length 14931.6
  Top Layer w5: R5.2 1761.54,1838.46 1645,1955 ; R4.2 1673.46,2018.46 1645,1990 1645,1955 ; v2(2110,3370) 2143.72,3336.28 U5.1 ; U5.19 2268.74,3362.24 2277.94,3371.44 ; MD2.2 2298.29,1410 2223.07,1334.78 1855.59,1334.78 1805,1385.37 1805,1610 1645,1770 1645,1955 ; C3.2 C4.2 ; U6.26 3369.37,2313.84 C13.2@3389.06,2333.53 ; U6.25 C13.2@3389.06,2333.53 ; v2(3430,2725) P5.1@3430,2730 ; v2(3445,2455) 3405.57,2455 C12.2 3389.06,2438.48 C13.2@3389.06,2333.53 ; R1.1 3793.46,2144.48 3815.73,2122.21 C1.2
  Top Layer w15: R6.2 2065,3715 ; J3.11 2035.08,3975.08 2055,3995 2141.14,3995 J3.4 ; v2(2045,3735) 2065,3715 ; R7.2 2065,3715 ; v2(2290,3375) 2443.46,3375 2467.18,3351.28 2471.2,3351.28 2493.46,3329.02 R17.2 R19.1 2493.46,3210.98 3174.72,2529.72 ; v2(2325,3715) R8.2 R9.2 ; R3.2 2440.13,2277.91 2491.54,2329.32 2495.68,2329.32 v2(2497.22,2327.78) ; v2(2585.75,2470.75) U1.2 2585.75,2394.25 2685,2295 2685,2293.77 2702.44,2276.34 R2.2 v2(2915,2270) 3174.72,2529.72 ; 2617.24,2546.53 U1.8 ; MD2.2 2641.95,1416.95 2686.95,1416.95 2705,1435 v2(2705,1885) 2706.65,1883.35 2727.27,1883.35 2770.05,1840.57 C3.2 ; R2.2@2705,2276.52 v2(2705,2315) ; C6.1 2967.21,3795.19 2945.28,3817.13 U2.4 U2.2 3207.33,3860 3257.33,3910 3305,3910 3343.54,3871.46 3343.54,3854.24 C7.2 3453.43,3840 ; v2(3400.53,2345) C13.2@3400.57,2345.05 ; U4.7 3460.94,3832.49 3453.43,3840 ; U4.6@3480.63,3807.68 U4.6 3480.63,3832.49 3473.12,3840 3453.43,3840 ; C1.2 4027.76,2122.21 4114.43,2208.88 ; MD1.14 4186.73,1897.05 4186.73,1964.17 4198.34,1964.17 ; MD1.13 4234.17,1928.35 4198.34,1964.17 ; v2(4255,2590) 3496.21,2590 3435.93,2529.72 v2(3275,2529.72) 3174.72,2529.72 ; P1.1 4225,2520 v2(4205,2540) 4114.43,2449.43 4114.43,2208.88 ; 4114.43,2208.88 4114.43,2048.09 4198.34,1964.17
  Bottom Layer w5: v2(2045,3735) 2045,3620 2110,3555 v2(2110,3370) ; v2(2915,2270) 3000,2185 3000,1992.93 3002.93,1990 v2(3005,1990) ; v2(3430,2725) 3445,2710 v2(3445,2455)
  Bottom Layer w15: J3.11 2035.08,3794.92 2085,3745 ; v2(2045,3735) 2075,3735 2085,3745 ; v2(2208.55,3175.24) 2210,3176.69 2210,3270 v2(2110,3370) 2125,3385 2274.96,3385 2284.96,3375 v2(2290,3375) ; J3.5 2281.22,4165 2340,4165 2590,3915 2660,3915 ; v2(2497.22,2327.78) 2692.22,2327.78 v2(2705,2315) ; v2(2554.25,2550.75) 2570,2535 v2(2610,2535) 2610,2495 v2(2585.75,2470.75) ; v2(2705,1885) 2705,2060 v2(2915,2270) ; v2(2940,3865) 2890,3915 2660,3915 ; v2(3275,2529.72) 3275,2353.79 3283.79,2345 v2(3400.53,2345) ; v2(4205,2540) v2(4255,2590) 4585,2920 4585,3775 P4.2 ; 2085,3745 2295,3745 v2(2325,3715) 2460,3715 2660,3915
WS2812: MD2.9
ZB_CTS: MD1.17
ZB_RST: MD1.27 P1.3 R1.2 | length 2185.3
  Top Layer w5: R1.2 3716.54,2140.98 3738.8,2118.72 3742.82,2118.72 3901.54,1960 4110,1960 4115.49,1954.51 4115.49,1931.61 ccw(c4120.49,1931.67) 4115.52,1931.13 cw(c4092.44,1928.35) 4115.69,1928.35 4115.69,1865.35 cw(c4092.44,1865.35) 4115.52,1862.59 ccw(c4120.49,1862.03) 4115.49,1862.06 4115.49,1780.85 4121.34,1775 ; 3822.56,1555.2 3915.2,1555.2 4128.17,1768.17 4121.34,1775 ; P1.3 4251.06,2420 4233.88,2402.81 4233.88,2352.79 4170,2288.91 4170,2136.94 4430,1876.94 4430,1805.86 4399.14,1775 4359.05,1775 cw(c4346.38,1794.49) 4346.38,1771.24 4283.38,1771.24 cw(c4283.38,1794.49) 4270.71,1775 4121.34,1775
ZB_RTS: MD1.22
ZB_RX: MD1.10 MD2.13 P1.4 U3.21 | length 4835.9
  Top Layer w5: MD2.13 2656.65,1960 2671.87,1975.22 2671.87,1976.25 3185.62,2490 3445,2490 3515,2560 4343.72,2560 4372.86,2530.86 4372.86,2530.8 4446.48,2457.19 4446.48,2450.11 ; U3.21 4223.58,3690.16 4272.97,3640.77 4272.97,3422.03 4585,3110 4585,2458.66 4546.34,2420 P1.4 4463.66,2420 4446.48,2437.19 4446.48,2450.11 ; 4267.44,1791.42 4401.42,1791.42 4420,1810 4420,1864.21 4151.44,2132.76 4151.44,2370.36 4231.2,2450.11 4446.48,2450.11
ZB_SWCLK: MD1.5 P1.8 | length 839.5
  Top Layer w5: MD1.5 4345.6,1558.27 4573.52,1786.19 4573.52,2192.81 4546.34,2220 P1.8
ZB_SWDIO: MD1.6 P1.7 | length 890.8
  Top Layer w5: 4267.44,1602.44 4375.63,1602.44 4540,1766.81 4540,1993.68 4405,2128.68 4405,2155 P1.7@4330,2230
ZB_SWO: MD1.7 P1.6 | length 954.4
  Top Layer w5: 4267.44,1649.69 4408.73,1649.69 4500,1740.95 4500,1940 v2(4515,1955) ; P1.6 4546.34,2320 4563.52,2302.81 4563.52,2286.48 v2(4600,2250)
  Bottom Layer w5: v2(4515,1955) 4600,2040 v2(4600,2250)
ZB_TX: MD1.9 MD2.23 P1.5 U3.20 | length 5032.4
  Top Layer w5: MD2.23@2125.35,2027.72 MD2.23 2125.35,2071.02 2259.33,2205 v2(2460,2205) ; v2(2595,2200) 2600,2205 2885.86,2205 3180.86,2500 3440,2500 3510,2570 4385,2570 v2(4415,2540) 4415,2742.35 4557.67,2885.02 4557.67,3117.33 4262.97,3412.03 4262.97,3631.09 4223.58,3670.47 U3.20 ; P1.5@4240,2315 4240,2308.94 4223.88,2292.81 4223.88,2097.21 4440,1881.09 4440,1775 4409.17,1744.17 4267.44,1744.17 ; P1.5 4365,2320 v2(4380,2335)
  Bottom Layer w5: v2(2460,2205) 2464.31,2209.31 2541.33,2209.31 2550.64,2200 v2(2595,2200) ; v2(4380,2335) 4415,2370 v2(4415,2540)
ZW_RST: P5.3 R20.1 U6.1 | length 1200.2
  Top Layer w5: v2(3205,2470) 3081.93,2346.93 R20.1 3229.34,1990 3231.57,1992.24 U6.1 ; v2(3355,2815) 3441.3,2815 P5.3
  Bottom Layer w5: v2(3205,2470) 3205,2670 3350.43,2815.43 3354.57,2815.43 v2(3355,2815)
ZW_RX: MD2.26 P5.4 U3.13 U6.22 | length 4520.5
  Top Layer w5: v2(1865,1505) 1865,1880.95 1944.05,1960 MD2.26 ; v2(3240,2825) P5.4@3280.04,2825 ; U6.22 3473.25,2223.43 3495,2245.18 3495,2470.53 v2(3490.53,2475) ; v2(3474.34,2634.34) 3450.64,2634.34 3297.22,2787.76 3297.22,2807.81 P5.4@3280.04,2825 ; U3.13 4085.79,3497.8 3542.99,2955 3389.98,2955 3379.98,2945 3365,2945 3365,2909.96 P5.4@3280.04,2825
  Bottom Layer w5: v2(1865,1505) 2075,1505 3120,2550 3120,2705 v2(3240,2825) ; v2@3480,2635 3490.53,2624.47 v2(3490.53,2475)
ZW_SWCLK: P5.8 U6.13 | length 1404.7
  Top Layer w5: P5.8 3359.98,3025 3387.17,3052.19 3515.43,3052.19 3562.84,3004.78 v2(3562.84,3002.16) ; U6.13 3473.25,2046.26 3594.37,2167.38 3594.37,2510 3599.37,2515 v2(3603.31,2515)
  Bottom Layer w5: v2(3562.84,3002.16) 3562.84,2977.84 3603.31,2937.37 v2(3603.31,2515)
ZW_SWDIO: P5.7 U6.14 | length 1094.6
  Top Layer w5: P5.7 3492.64,3025 3535,2982.64 v2(3535,2977.84) ; U6.14 3473.25,2065.94 3574.68,2167.38 v2(3574.68,2515)
  Bottom Layer w5: v2(3535,2977.84) 3574.68,2938.15 v2(3574.68,2515)
ZW_SWO: P5.6 U6.15 | length 1237.9
  Top Layer w5: P5.6 3243.7,2920 v2(3335,2920) ; U6.15 3473.25,2085.63 3555,2167.38 3555,2510 3550,2515 v2(3546.06,2515)
  Bottom Layer w5: v2(3335,2920) 3365,2950 3535,2950 3546.06,2938.94 v2(3546.06,2515)
ZW_TX: MD2.29 P5.5 U3.12 U6.21 | length 4495
  Top Layer w5: v2(1895,1480) 1895,1760.95 1944.05,1810 MD2.29 ; v2(3420,2925) P5.5 P5.5@3492.64,2925 ; U6.21 3473.25,2203.74 3514.68,2245.18 3514.68,2470.53 v2(3519.15,2475) ; v2(3494.58,2654.58) 3494.58,2676.96 3530,2712.39 3530,2892.07 3522.13,2899.94 3517.69,2899.94 P5.5@3492.64,2925 ; v2(3585,3030) 4048.92,3493.92 4048.92,3649.46 4050.24,3650.79 U3.12 ; v2(3620,2970) 3575,2925 P5.5@3492.64,2925
  Bottom Layer w5: v2(1895,1480) 2064.14,1480 3130,2545.86 3130,2700.86 3224.14,2795 3290,2795 v2(3420,2925) ; v2@3493.92,2648.92 3519.15,2623.69 v2(3519.15,2475) ; v2(3585,3030) 3620,2995 v2(3620,2970)
pads on no net: ANT1.2 J1.MH1 J1.MH2 J2.A8 J2.B8 J3. J3.7 J4.A8 J4.B8 MD1.2 MD1.3 MD1.4 MD1.8 MD1.11 MD1.15 MD1.16 MD1.18 MD1.19 MD1.21 MD1.23 MD1.24 MD1.25 MD1.26 MD2.4 MD2.5 MD2.6 MD2.7 MD2.17 MD2.18 MD2.19 MD2.20 MD2.21 MD2.22 MD2.24 MD2.32 P1.9 P1.10 P5.9 P5.10 U3.1 U3.2 U3.9 U3.10 U3.11 U3.14 U3.15 U3.16 U3.17 U3.18 U3.19 U3.22 U3.23 U3.24 U4.1 U4.2 U4.9 U4.10 U4.11 U4.12 U4.13 U4.14 U4.15 U4.16 U4.17 U4.18 U4.19 U4.20 U4.21 U4.22 U4.23 U4.24 U4.27 U4.28 U5.4 U6.5 U6.6 U6.7 U6.8 U6.9 U6.10 U6.11 U6.12 U6.16 U6.17 U6.18 U6.19 U6.20 U6.23 U6.24 U6.28 U6.29 U6.30 U6.31 U6.32 U6.33 U6.34 U6.35 U6.36 U6.37 U6.38 U6.39 U6.40 U6.41 U6.42 U6.43

## Polygon pours and split planes (outlines as drawn)
GND on Bottom Layer "GND_L02_P001" (solid, pour order 1): 1475,1260 1465,1270 1465,4515 4650,4515 4710,4455 4710,1275 3761.58,1275 3760,1273.42 3760,1600 3755,1600 3685,1670 2875,1670 2790,1585 2790,1300 1500,1300 1465,1265
GND on Top Layer (solid, pour order 0): 1495,4480 4685,4480 4685,1305 4680,1300 4670,1310 3750,1310 3750,1605 3685,1670 2875,1670 2790,1585 2790,1305 1500,1305 1460,1345 1460,4435

## Silkscreen, mask and mechanical layers (free items; w line width, h text height)
Top Overlay:
  drawing of 34 lines, arcs and shapes, not listed
  text "CENTER POSITIVE" at 2775.3,4415 h40 r270
  text "5V MAX!" at 2805.3,4330 h40 r270
  text "ESP USB" at 3390,4055.55 h80
  text "BRIDGE" at 4025,4055.55 h80
  text "SHORT FOR" at 4295,3835.3 h40
  text "RADIO UART" at 4275,3805.3 h40
  text "ESP RX" at 3265,3650.3 h40
  text "10/100 ETH" at 1850,3583.59 h40
  text "LAN8720A" at 2325,3510.55 h80
  text "ESP TX" at 3415,3485.3 h40
  text "MDIO: 18" at 2325,3460.44 h60
  text "MDC: 23" at 2325,3415.44 h60
  text "NC" at 3265,3325.26 h40
  text "NC" at 3370,3325.26 h40
  text "SWCLK" at 3265,3295.3 h40
  text "SWDIO" at 3370,3295.3 h40
  text "SWO" at 3265,3265.3 h40
  text "TX" at 3370,3265 h40
  text "RX" at 3265,3235 h40
  text "RST" at 3370,3235.3 h40
  text "GND" at 3265,3205.3 h40
  text "VCC" at 3370,3205.26 h40
  text "ESPHomeHub" at 3665,3150.55 h80
  text "aiden vigue - 2023" at 3665,3080.8 h80
  text "https://vigue.me" at 3665,3010.8 h80
  text "ZGM230S DBG" at 3149.56,2870 h60 r90
  text "VCC" at 4320,2725.26 h40
  text "GND" at 4425,2725.3 h40
  text "RST" at 4320,2695.3 h40
  text "RX" at 4425,2695 h40
  text "TX" at 4320,2665 h40
  text "SWO" at 4425,2665.3 h40
  text "SWDIO" at 4320,2635.3 h40
  text "SWCLK" at 4425,2635.3 h40
  text "BME680" at 2490,2630.44 h60
  text "NC" at 4320,2605.26 h40
  text "NC" at 4425,2605.26 h40
  text "MGM210P DBG" at 4585.44,2580 h60 r270
  text "SDA: 13" at 2265,2460.44 h60
  text "SCL: 12" at 2265,2415.44 h60
  text "ZGM230S" at 3015,2280.55 h80
  text "TX: 5" at 3015,2230.44 h60
  text "RX: 4" at 3015,2185.44 h60
  text "BOOT0" at 1600,2040.44 h60
  text "MGM210P" at 3650.57,1959.63 h80
  text "TX: 15" at 3650.57,1909.51 h60
  text "RX: 14" at 3650.57,1864.51 h60
  text "RST" at 1545,1760.44 h60
  text "JLCJLCJLCJLC" at 2470,1374.61 h60 r180

## Text inside footprints (layer, text, board x,y; h text height)
P1: Top Overlay "10" at 4516.81,2079.45 h25 r270; Top Overlay "9" at 4241.22,2079.45 h25 r270; Top Overlay "1" at 4241.22,2572.36 h25 r270; Top Overlay "2" at 4516.81,2584.17 h25 r270
P5: Top Overlay "2" at 3226.89,2660.83 h40 r90; Top Overlay "1" at 3502.48,2672.64 h40 r90; Top Overlay "9" at 3502.48,3165.55 h40 r90; Top Overlay "10" at 3226.89,3165.55 h40 r90